# Altium PCB foxbms2-master.PcbDoc (part 5 of 11)
Units mm, origin at the board's own origin, x right, y up, seen from the top; angles counter-clockwise.
Board outline 200.02 x 144.34 mm, 8 copper layers (Top, Int1 (Sig), Int2 (Gnd), Int3 (Sig), Int4 (Sig), Int5 (Pwr), Int6 (Sig), Bottom), stack 1.636 mm thick; 806 components, 624 nets, 2842 pads, 2610 vias.
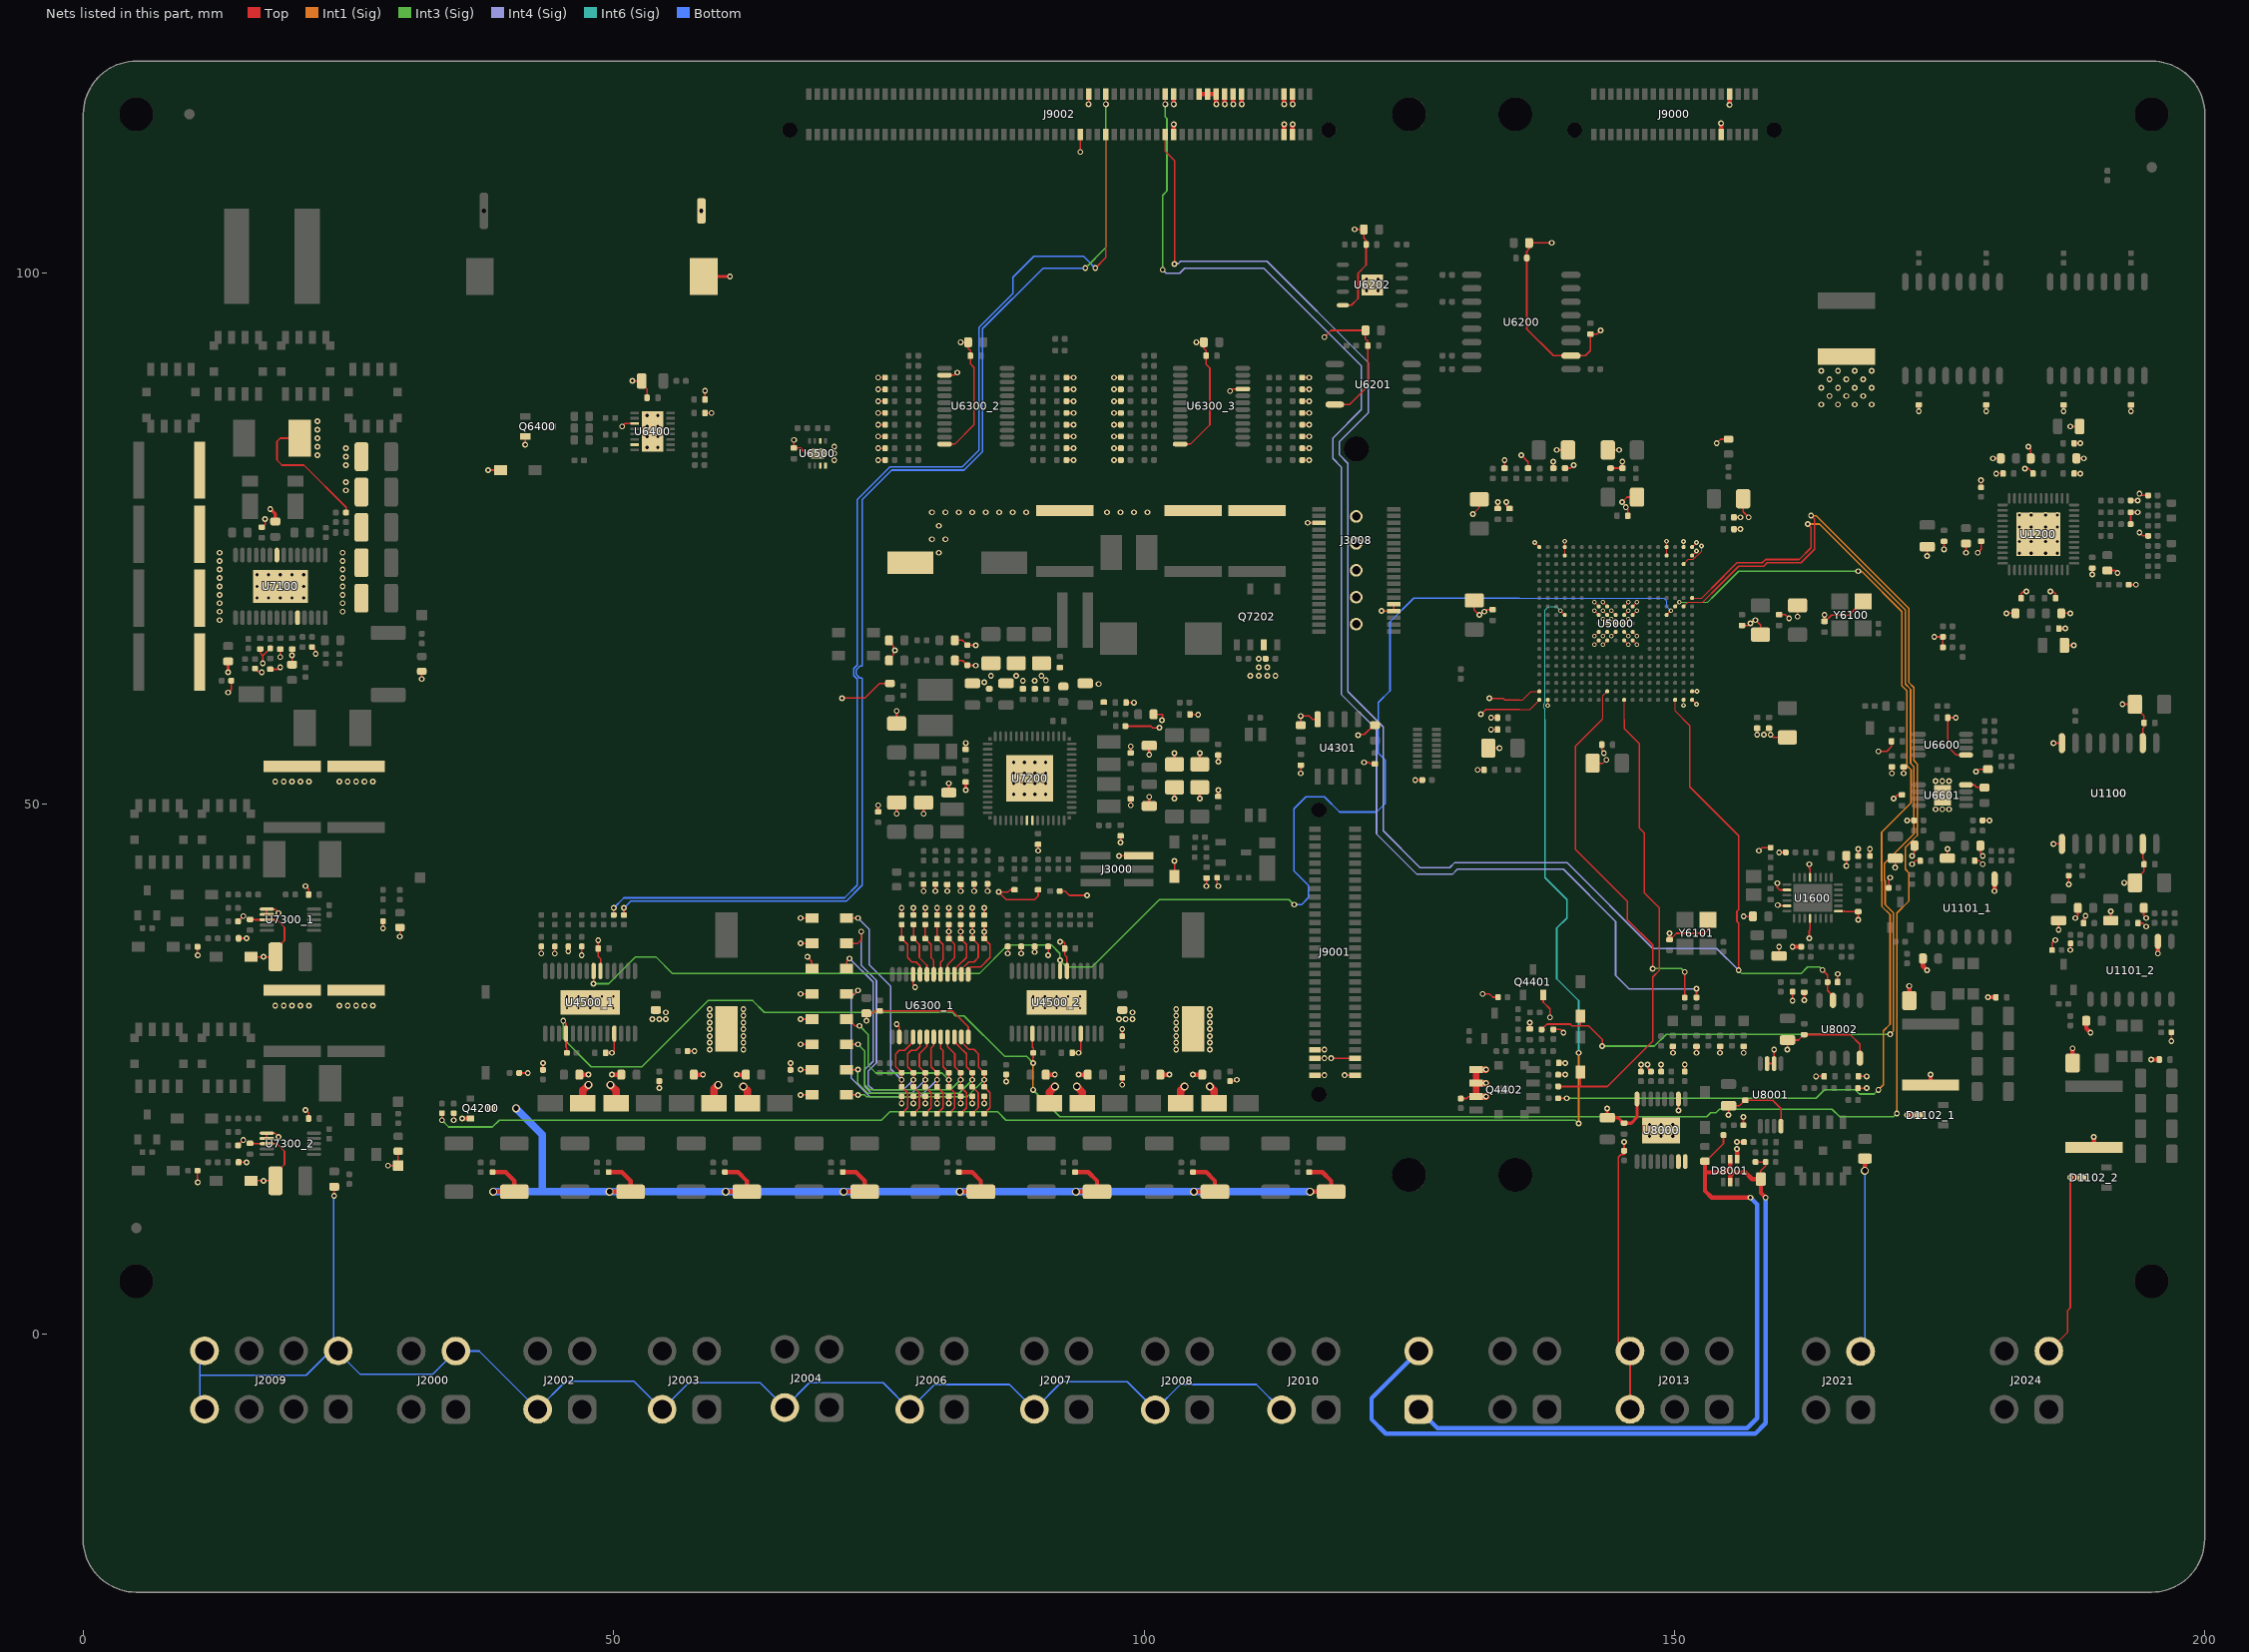
[diagram p11: the nets of this part, all layers, seen from the top]

## Via types
v1: diameter 0.55, hole 0.3, Top to Bottom, 1560 vias
v2: diameter 0.55, hole 0.3, Top to Bottom, tented both sides, 810 vias
v3: diameter 0.45, hole 0.2, Top to Bottom, tented both sides, 169 vias
v4: diameter 0.45, hole 0.2, Top to Bottom, 25 vias
v5: diameter 0.5, hole 0.2, Top to Bottom, 20 vias
v6: diameter 0.75, hole 0.5, Top to Bottom, tented both sides, 17 vias
v7: diameter 0.75, hole 0.5, Top to Bottom, 9 vias

## Nets (pads, with @x,y where several pads share a name; then routed paths per layer and width w, separated by ;. In a path a pad name is that pad's centre, name@x,y a point inside that pad or via, vN(x,y) a via of type N, cw(c..) or ccw(c..) an arc to the next point about the centre after c; other vN are vias at no path point) (continued)
GND: BT6400.- BT6401.- C1100.1 C1102.1 C1103_1.1 C1104_1.1 C1105_1.1 C1106_1.1 C1107_1.1 C1108_1.1 C1109_1.1 C1110_1.1 C1111_1.1 C1112_1.1 C1200.1 C1201.1 C1202.1 C1203.1 C1204.1 C1205.1 C1206.1 C1207.1 C1208.1 C1209.1 C1210.1 C1211.1 C1212.1 C1213.1 C1214.1 C1215.1 C1216.1 C1217.1 C1218.1 C1219.1 C1220.1 C1221.1 C1222.1 C1223.1 C1224.1 C1600.2 C1601.2 C1602.1 C1603.1 C3000.1 C4344.1 C4345.1 C4346.1 C4347.1 C4400.1 C4401.1 C4500_1.2 C4500_2.2 C4501_1.1 C4501_2.1 C4502_1.1 C4502_2.1 C4503_1.1 C4503_2.1 C4504_1.1 C4504_2.1 C4505_1.1 C4505_2.1 C4506_1.1 C4506_2.1 C4507_1.1 C4507_2.1 C5000.1 C5001.1 C5002.1 C5003.1 C5004.1 C5005.1 C5006.1 C5007.1 C5008.1 C5009.1 C5010.1 C5011.1 C5012.1 C5013.1 C5014.1 C5015.1 C5016.1 C5017.1 C5018.1 C5019.1 C5020.1 C5021.1 C5022.1 C5023.1 C5024.1 C5025.1 C5026.1 C5027.1 C5028.1 C6100.1 C6101.1 C6200.1 C6201.1 C6202.1 C6203.1 C6204.1 C6205.1 C6206.1 C6300_1.1 C6300_2.1 C6300_3.1 C6301_1.1 C6301_2.1 C6301_3.1 C6400.1 C6401.1 C6402.1 C6403.1 C6500.1 C6600.1 C6601.1 C6602.1 C6603.1 C6604.1 C6605.1 C6606.1 C7000.1 C7001.1 C7100.1 C7101.1 C7102.1 C7103.1 C7104.1 C7105.1 C7106.1 C7107.1 C7108.1 C7109.1 C7113.2 C7114.2 C7116.2 C7117.1 C7118.1 C7119.1 C7120.1 C7200.2 C7201.2 C7205.2 C7206.1 C7207.1 C7208.1 C7209.1 C7210.1 C7211.1 C7212.1 C7213.1 C7215.1 C7216.1 C7217.1 C7218.1 C7219.1 C7220.1 C7221.1 C7222.1 C7223.1 C7224.1 C7225.1 C7226.1 C7227.1 C7228.1 C7229.1 C7230.1 C7231.1 C7232.1 C7233.1 C7234.1 C7235.1 C7236.1 C7237.1 C7238.1 C7239.1 C7240.1 C7241.1 C7242.1 C7243.1 C7244.1 C7245.1 C7246.1 C7247.1 C7248.1 C7249.1 C7250.1 C7251.1 C7300_1.2 C7300_2.2 C7301_1.1 C7301_2.1 C7302_1.1 C7302_2.1 C7303_1.1 C7303_2.1 C7304_1.1 C7304_2.1 C7305_1.1 C7305_2.1 C8000.1 C8001.1 C8002.1 C8003.1 C8005.1 C8006.1 C8007.1 C8008.1 C8009.1 C8010.1 C8011.2 C8012.1 C8013.2 C8014.1 D1102_1.3 D4200_1.2 D4200_2.2 D4200_3.2 D4200_4.2 D4200_5.2 D4200_6.2 D4200_7.2 D4200_8.2 D4500_1.2 D4500_2.2 D4501_1.2 D4501_2.2 D4502_1.2 D4502_2.2 D4503_1.2 D4503_2.2 D5000.1 D6401.2 D7000.1 D7001.1 D7002.1 D7005.1 D7202.2 D7307_1.2 D7307_2.2 D8001.1 J2000.3 J2002.2 J2003.2 J2004.2 J2006.2 J2007.2 J2008.2 J2009.4 J2009.5 J2009.8 J2010.2 J2013.3 J2013.6 J2021.3 J3000.2 J3008.5 J3008.30 J3008.32 J3008.G J9000.32 J9000.33 J9001.54 J9001.55 J9001.56 J9001.59 J9001.60 J9002.66 J9002.67 J9002.87 J9002.88 J9002.93 J9002.95 J9002.97 J9002.99 J9002.101 J9002.103 J9002.113 J9002.114 J9002.115 J9002.116 Q4200.S Q4401.S Q4402.S Q6400.S Q7202.3 R1109_1.1 R1114_1.1 R1117_1.1 R1209.1 R1211.1 R1212.1 R1213.1 R1214.1 R1215.1 R1221.1 R1225.1 R1226.1 R1605.1 R1606.1 R1607.1 R1608.1 R1612.1 R3000.1 R4201.1 R4405.1 R4408.1 R4412.1 R4413.1 R4500.1 R4501_1.1 R4501_2.1 R4502_1.1 R4502_2.1 R4503_1.1 R4503_2.1 R4508_1.1 R4508_2.1 R4509_1.1 R4509_2.1 R4510_1.1 R4510_2.1 R4511_1.1 R4511_2.1 R4512_1.1 R4512_2.1 R6320_1.1 R6320_2.1 R6320_3.1 R6321_1.1 R6321_2.1 R6321_3.1 R6322_1.1 R6322_2.1 R6322_3.1 R6323_1.1 R6323_2.1 R6323_3.1 R6324_1.1 R6324_2.1 R6324_3.1 R6325_1.1 R6325_2.1 R6325_3.1 R6326_1.1 R6326_2.1 R6326_3.1 R6327_1.1 R6327_2.1 R6327_3.1 R6328_1.1 R6328_2.1 R6328_3.1 R6329_1.1 R6329_2.1 R6329_3.1 R6330_1.1 R6330_2.1 R6330_3.1 R6331_1.1 R6331_2.1 R6331_3.1 R6332_1.1 R6332_2.1 R6332_3.1 R6333_1.1 R6333_2.1 R6333_3.1 R6334_1.1 R6334_2.1 R6334_3.1 R6335_1.1 R6335_2.1 R6335_3.1 R7008.1 R7105.2 R7108.1 R7109.1 R7110.1 R7111.1 R7113.1 R7205.1 R7206.1 R7208.1 R7209.1 R7228.1 R7238.1 R7239.1 R7245.2 R7246.2 R7251.2 R7308_1.1 R7308_2.1 R7311_1.1 R7311_2.1 R8003.2 R8004.1 R8007.2 R8008.2 R8011.2 R8012.2 R8013.1 R8022.1 R8023.2 R8025.1 TP_GND.1 U1100.2 U1100.8 U1101_1.2 U1200.49 U1600.5 U1600.10 U1600.13 U1600.18 U1600.23 U4301.4 U4500_1.11 U4500_1.20 U4500_1.29 U4500_2.11 U4500_2.20 U4500_2.29 U5000.A1 U5000.A2 U5000.A18 U5000.A19 U5000.B1 U5000.B19 U5000.H8 U5000.H9 U5000.H11 U5000.H12 U5000.J8 U5000.J9 U5000.J10 U5000.J11 U5000.J12 U5000.K9 U5000.K10 U5000.K11 U5000.L8 U5000.L9 U5000.L10 U5000.L11 U5000.L12 U5000.M8 U5000.M9 U5000.M11 U5000.M12 U5000.U2 U5000.V1 U5000.V4 U5000.V16 U5000.W1 U5000.W2 U5000.W4 U5000.W16 U5000.W19 U6200.10 U6201.4 U6202.4 U6202.9 U6300_1.2 U6300_1.12 U6300_1.21 U6300_2.2 U6300_2.12 U6300_3.12 U6300_3.21 U6400.3 U6400.7 U6400.17 U6500.2 U6500.7 U6500.8 U6500.9 U6600.5 U6601.4 U6601.9 U7100.10 U7100.22 U7100.29 U7200.21 U7200.22 U7200.57 U7300_1.6 U7300_1.7 U7300_1.8 U7300_2.6 U7300_2.7 U7300_2.8 U8000.2 U8000.8 U8000.17 U8001.4 U8001.6 U8001.7 U8002.4 Y6100.2 Y6101.2 | length 713.7
  Top w0.102: 135.414,58.896 136.366,58.896 U5000.A19@137.263,59.792 ; 135.414,59.792 135.675,59.792 136.475,60.593 U5000.B19@137.263,60.593 ; v3(136.843,74.612) U5000.W19@137.263,74.192 ; v3(138.063,59.252) U5000.A18@138.063,59.792 ; U5000.V16@139.663,73.392 U5000.W16@139.663,74.192 v3(139.663,74.734) ; v3(142.463,64.992) U5000.H12@142.863,65.392 ; v3(142.463,65.792) U5000.J12@142.863,66.192 ; v3(142.463,68.192) U5000.L12@142.863,67.792 ; v3(142.463,68.992) U5000.M12@142.863,68.592 ; v3(143.263,64.992) U5000.H11@143.663,65.392 ; v3(143.263,65.792) U5000.J11@143.663,66.192 ; v3(143.263,67.392) U5000.K11@143.663,66.992 ; v3(143.263,68.192) U5000.L11@143.663,67.792 ; v3(143.263,68.992) U5000.M11@143.663,68.592 ; v3(144.063,65.792) U5000.J10@144.463,66.192 ; v3(144.063,67.392) U5000.K10@144.463,66.992 ; v3(144.063,68.192) U5000.L10@144.463,67.792 ; U5000.H9@145.263,65.392 v3(145.663,64.992) ; U5000.J9@145.263,66.192 v3(145.663,65.792) ; U5000.K9@145.263,66.992 v3(145.663,67.392) ; U5000.L9@145.263,67.792 v3(145.663,68.192) ; U5000.M9@145.263,68.592 v3(145.663,68.992) ; U5000.H8@146.063,65.392 v3(146.463,64.992) ; U5000.J8@146.063,66.192 v3(146.463,65.792) ; U5000.L8@146.063,67.792 v3(146.463,68.192) ; U5000.M8@146.063,68.592 v3(146.463,68.992) ; U5000.V4@149.263,73.392 U5000.W4@149.263,74.192 v3(149.263,74.734) ; v3(150.862,59.264) U5000.A2@150.862,59.792 ; U5000.U2@150.862,72.592 151.295,73.025 151.765,73.025 152.559,73.819 v3(152.559,74.295) v3@152.718,74.295 ; U5000.W2@150.862,74.192 v3(150.862,74.721) ; U5000.A1@151.663,59.792 v3(152.082,59.372) ; U5000.B1@151.663,60.593 v3(152.132,60.593) ; U5000.V1@151.663,73.392 v3@152.082,73.812 ; U5000.W1@151.663,74.192 v3(152.083,74.612)
  Top w0.152: R7308_2.1@10.769,15.399 10.769,14.314 v2(10.795,14.287) v2@10.782,14.301 ; R7308_1.1@10.769,36.512 10.769,35.745 v2(10.795,35.719) ; v2(13.652,60.484) 13.944,60.775 R7105.2@13.944,61.595 ; R7311_2.1@14.579,17.78 v2(15.081,18.283) ; R7311_1.1@14.579,38.894 v2(15.081,39.396) ; C7300_2.2@14.639,16.192 v1(15.399,16.192) ; C7300_1.2@14.639,37.306 v1(15.399,37.306) ; C7305_2.1@15.716,17.972 16.128,17.972 16.162,17.939 U7300_2.8@17.301,17.939 18.256,17.939 18.972,17.223 18.972,15.992 18.126,15.146 C7304_2.1@18.126,14.446 v2(16.986,14.446) D7307_2.2@15.811,14.446 ; C7305_1.1@15.716,39.086 16.128,39.086 16.162,39.052 U7300_1.8@17.301,39.052 18.256,39.052 18.972,38.337 18.972,37.106 18.126,36.26 C7304_1.1@18.126,35.56 v2(16.986,35.56) D7307_1.2@15.811,35.56 ; R7110.1@16.192,62.733 16.514,62.411 16.805,62.411 v2(16.828,62.389) ; C7117.1@16.669,64.578 16.669,64.216 16.925,63.96 16.925,63.941 ; C7114.2@16.828,76.075 16.877,76.075 17.171,76.369 17.171,76.809 v2(17.145,76.835) ; v2(16.925,63.219) 16.925,63.941 ; U7300_2.7@17.301,18.439 U7300_2.6@17.301,18.939 18.078,18.939 18.415,18.602 v2(18.415,18.574) ; U7300_1.7@17.301,39.552 U7300_1.6@17.301,40.053 18.078,40.053 18.415,39.715 v2(18.415,39.688) ; C7118.1@17.621,62.673 18.336,62.673 18.528,62.865 v2(18.574,62.865) ; R7111.1@17.621,64.638 16.925,63.941 ; v2(18.574,63.817) C7113.2@18.574,64.577 ; C7120.1@19.685,63.114 v2(19.685,63.976) C7119.1@19.685,64.578 ; R7108.1@20.405,84.455 18.574,84.455 18.256,84.138 18.256,82.391 18.732,81.915 20.796,81.915 24.765,77.946 R7109.1@24.765,77.444 ; v2(20.955,21.114) 21.239,20.83 C7303_2.1@21.239,20.32 ; v2(20.955,42.227) 21.239,41.944 C7303_1.1@21.239,41.434 ; R7113.1@21.564,64.77 21.885,64.449 21.885,64.158 v2(21.907,64.135) ; v1(23.654,13.018) C7000.1@23.654,13.88 ; v1(28.258,38.259) R7008.1@28.258,38.92 ; v1(28.734,15.875) TP_GND.1@29.686,15.875 D7005.1@29.686,17.239 ; v1(29.845,37.465) D7000.1@29.845,38.326 ; v1(31.909,61.754) D7001.1@31.909,62.482 ; v2(34.925,20.161) R4201.1@34.925,20.823 ; v2(38.155,81.443) 38.16,81.439 D6401.2@39.322,81.439 ; R4500.1@41.09,24.606 v2(41.91,24.606) ; v2(41.662,83.839) Q6400.S@41.662,84.616 ; v2(43.18,35.877) R4512_1.1@43.18,36.539 ; R4501_1.1@43.339,24.897 v1(43.339,25.559) ; v2(44.45,35.877) R4511_1.1@44.45,36.539 ; v2(45.72,36.096) R4510_1.1@45.72,36.539 ; v2(46.99,35.719) R4509_1.1@46.99,36.38 ; v2(48.544,37.114) C4505_1.1@48.544,36.354 48.544,35.594 48.759,35.379 U4500_1.20@48.759,34.224 ; C4503_1.1@49.246,26.511 v2(49.847,26.511) 50.059,26.722 U4500_1.11@50.059,28.324 ; v2(50.8,85.566) 51.074,85.84 U6400.3@51.968,85.84 ; v2(51.752,89.852) C6402.1@52.633,89.852 52.633,89.577 53.148,89.062 C6400.1@53.148,88.265 ; v1(54.292,23.177) R4502_1.1@54.292,23.839 ; R4503_1.1@56.965,26.67 v1(57.626,26.67) ; v2(58.612,88.937) 58.612,88.936 C6401.1@58.612,88.106 ; C6403.1@58.612,86.836 v2(59.214,86.836) ; R4508_1.1@66.675,24.897 v1(66.675,25.559) ; v2(66.992,84.296) C6500.1@66.992,83.536 67.594,83.536 68.104,83.026 U6500.9@69.215,83.026 U6500.9@69.253,83.064 ; v1(67.627,22.543) D4200_8.2@68.691,22.543 ; v1(67.627,24.924) D4200_7.2@68.691,24.924 ; v1(67.627,27.305) D4200_6.2@68.691,27.305 ; v1(67.627,29.686) D4200_5.2@68.691,29.686 ; v1(67.627,32.067) D4200_4.2@68.691,32.067 ; v1(67.627,36.83) D4200_2.2@68.691,36.83 ; v1(67.627,39.211) D4200_1.2@68.691,39.211 ; v1(68.263,35.56) 68.691,35.131 D4200_3.2@68.691,34.449 ; v1(71.518,59.943) 71.533,59.958 73.682,59.958 75.066,61.343 D7002.1@76.041,61.343 ; v2(73.819,29.527) C6300_1.1@73.819,30.231 74.395,30.231 74.61,30.446 C6301_1.1@75.089,30.446 81.949,30.446 83.426,28.969 U6300_1.12@83.426,28.006 ; v2(74.93,82.391) R6327_2.1@75.591,82.391 ; v2(74.93,83.502) R6326_2.1@75.591,83.502 ; v2(74.93,84.614) R6325_2.1@75.591,84.614 ; v2(74.93,85.725) R6324_2.1@75.591,85.725 ; v2(74.93,86.836) R6323_2.1@75.591,86.836 ; v2(74.93,87.947) R6322_2.1@75.591,87.947 ; v2(74.93,89.059) R6321_2.1@75.591,89.059 ; v2(74.93,90.17) R6320_2.1@75.591,90.17 ; C7225.1@75.951,63.5 75.951,63.6 76.343,63.992 76.343,64.171 76.517,64.345 v2(76.517,64.453) 76.517,64.56 76.343,64.734 76.343,64.913 75.951,65.305 C7217.1@75.951,65.405 ; v2(76.676,29.21) 76.926,28.96 U6300_1.2@76.926,28.006 ; v2(77.153,21.749) R6320_1.1@77.153,22.41 ; R6335_1.1@77.153,39.502 v2(77.153,40.164) ; U6300_1.21@78.226,33.906 78.226,32.941 78.422,32.744 v2(78.422,32.703) ; v2(78.264,21.749) R6321_1.1@78.264,22.41 ; R6334_1.1@78.264,39.502 v2(78.264,40.164) ; v2(79.216,41.751) R7206.1@79.216,42.413 ; v2(79.375,21.749) R6322_1.1@79.375,22.41 ; R6333_1.1@79.375,39.502 v2(79.375,40.164) ; v2(80.328,41.751) R7205.1@80.328,42.413 ; v2(80.486,21.749) R6323_1.1@80.486,22.41 ; R6332_1.1@80.486,39.502 v2(80.486,40.164) ; U6300_2.12@81.188,83.896 82.15,83.896 83.979,85.725 83.979,91.123 83.628,91.474 C6301_2.1@83.628,92.234 83.628,92.712 83.413,92.927 C6300_2.1@83.413,93.504 v2(82.709,93.504) ; U6300_2.2@81.188,90.396 82.141,90.396 v2(82.391,90.646) ; v2(81.439,41.751) C7243.1@81.439,42.379 ; v2(81.597,21.749) R6324_1.1@81.597,22.41 ; R6331_1.1@81.597,39.502 v2(81.597,40.164) ; C7226.1@82.164,63.5 82.894,63.5 R7246.2@83.344,63.05 83.72,63.05 83.747,63.024 v2(84.138,63.024) ; C7218.1@82.164,65.405 82.894,65.405 R7245.2@83.344,64.955 83.72,64.955 83.747,64.929 v2(84.138,64.929) ; v2(82.709,21.749) R6325_1.1@82.709,22.41 ; R6330_1.1@82.709,39.502 v2(82.709,40.164) ; v2(82.709,41.751) C7244.1@82.709,42.379 ; C7230.1@83.185,55.12 v2(83.185,55.721) ; v2(83.82,21.749) R6326_1.1@83.82,22.41 ; R6329_1.1@83.82,39.502 v2(83.82,40.164) ; v2(83.979,41.751) R7209.1@83.979,42.439 ; v2(84.931,21.749) R6327_1.1@84.931,22.41 ; R6328_1.1@84.931,39.502 v2(84.931,40.164) ; v2(85.249,41.751) R7208.1@85.249,42.439 ; v1(86.995,23.812) R4501_2.1@86.995,24.474 ; v2(87.154,35.877) R4512_2.1@87.154,36.539 ; C7237.1@87.839,41.876 C7237.1@87.789,41.876 87.377,41.876 87.178,41.677 v2(86.285,41.677) 87.005,40.957 89.694,40.957 90.011,41.275 C7236.1@90.011,41.876 ; v2(88.424,35.877) R4511_2.1@88.424,36.539 ; v2(89.694,36.007) R4510_2.1@89.694,36.539 ; v2(90.011,45.561) C7222.1@90.011,46.163 ; v2(90.964,35.719) R4509_2.1@90.964,36.38 ; R7251.2@92.049,41.751 92.551,41.751 92.949,41.353 v1(94.615,41.353) ; v1(92.075,36.989) 92.392,36.989 92.518,36.864 C4505_2.1@92.518,36.354 92.518,35.752 92.732,35.538 U4500_2.20@92.732,34.224 ; R6328_2.1@92.684,82.391 v2(93.345,82.391) ; R6329_2.1@92.684,83.502 v2(93.345,83.502) ; R6330_2.1@92.684,84.614 v2(93.345,84.614) ; R6331_2.1@92.684,85.725 v2(93.345,85.725) ; R6332_2.1@92.684,86.836 v2(93.345,86.836) ; R6333_2.1@92.684,87.947 v2(93.345,87.947) ; R6334_2.1@92.684,89.059 v2(93.345,89.059) ; R6335_2.1@92.684,90.17 v2(93.345,90.17) ; C4503_2.1@93.22,26.511 v2(93.821,26.511) 94.032,26.722 U4500_2.11@94.032,28.324 ; v1(94,111.442) J9002.66@94,113.1 ; v1(94.781,115.947) 94.8,115.966 J9002.67@94.8,116.9 ; v2(97.155,82.391) R6327_3.1@97.816,82.391 ; v2(97.155,83.502) R6326_3.1@97.816,83.502 ; v2(97.155,84.614) R6325_3.1@97.816,84.614 ; v2(97.155,85.725) R6324_3.1@97.816,85.725 ; v2(97.155,86.836) R6323_3.1@97.816,86.836 ; v2(97.155,87.947) R6322_3.1@97.816,87.947 ; v2(97.155,89.059) R6321_3.1@97.816,89.059 ; v2(97.155,90.17) R6320_3.1@97.816,90.17 ; v2(97.631,45.085) J3000.2@99.507,45.085 ; v2(97.79,46.355) C7245.1@97.79,46.956 ; v1(97.949,23.495) R4502_2.1@97.949,24.156 ; R4503_2.1@97.949,28.072 v1(97.949,28.734) ; R7239.1@98.24,57.309 100.647,57.309 100.806,57.15 v2(101.441,57.15) ; C7201.2@98.3,59.531 v2(99.06,59.531) ; C7200.2@100.896,58.42 101.759,58.42 101.759,57.9 101.707,57.9 101.707,57.897 v2(101.681,57.872) ; D7202.2@102.87,43.132 v2(102.87,44.609) ; U6300_3.12@103.413,83.896 104.375,83.896 106.204,85.725 106.204,91.063 105.853,91.414 C6301_3.1@105.853,92.234 105.853,92.712 105.638,92.927 C6300_3.1@105.638,93.504 v2(104.934,93.504) ; C7227.1@104.332,58.42 105.093,58.42 v2(105.093,58.382) ; v2(105.886,42.227) C7231.1@105.886,42.988 ; R7238.1@106.891,43.021 106.891,42.334 v2(106.998,42.227) ; R4508_2.1@108.109,23.839 108.504,23.839 108.636,23.971 v1(108.744,23.971) ; v2(108.109,88.9) 108.151,88.9 108.347,89.096 U6300_3.21@109.313,89.096 ; v1(114.776,52.864) C4345.1@114.776,53.624 ; C4344.1@114.776,57.399 v1(114.776,58.261) 115.57,58.261 115.886,57.945 U4301.4@116.364,57.945 ; R6328_3.1@114.909,82.391 v2(115.57,82.391) ; R6329_3.1@114.909,83.502 v2(115.57,83.502) ; R6330_3.1@114.909,84.614 v2(115.57,84.614) ; R6331_3.1@114.909,85.725 v2(115.57,85.725) ; R6332_3.1@114.909,86.836 v2(115.57,86.836) ; R6333_3.1@114.909,87.947 v2(115.57,87.947) ; R6334_3.1@114.909,89.059 v2(115.57,89.059) ; R6335_3.1@114.909,90.17 v2(115.57,90.17) ; v1(115.411,76.48) J3008.5@116.47,76.48 ; J9001.60@116.1,24.4 v1(116.999,24.4) ; J9001.56@116.1,26 v1(116.999,26) ; J9001.54@116.1,26.8 v1(116.999,26.8) ; v1(116.999,93.98) 117.634,94.615 C6203.1@120.878,94.615 120.878,93.813 121.093,93.598 C6204.1@121.093,93.186 121.093,89.343 119.38,87.63 U6201.4@117.978,87.63 ; v1(117.634,26) J9001.55@119.9,26 J9001.55@119.865,26.035 ; U6202.4@118.745,96.996 119.539,96.996 120.174,97.631 120.174,100.013 120.934,100.773 C6206.1@120.934,102.711 120.934,103.123 120.719,103.338 C6205.1@120.719,104.14 v2(119.856,104.14) ; v1(118.904,24.4) J9001.59@119.9,24.4 ; v1(120.174,56.469) 120.174,56.515 120.778,56.515 121.661,57.399 C4347.1@121.761,57.399 ; v1(120.744,53.891) 121.208,53.891 121.35,53.749 C4346.1@121.761,53.749 ; v1(122.396,68.16) J3008.32@123.53,68.16 J3008.30@123.53,68.8 ; v1(125.571,52.229) R3000.1@126.233,52.229 ; R4413.1@129.857,22.199 130.398,22.199 130.583,22.384 Q4402.S@131.31,22.384 ; v2(131.005,77.311) 131.604,77.91 C5020.1@131.604,78.686 ; C5002.1@131.127,69.161 131.127,68.263 v1(131.604,67.786) ; v2(131.445,53.181) C3000.1@132.046,53.181 ; v1(131.762,58.42) 132.239,58.896 135.414,58.896 ; v1(131.921,32.067) 132.556,32.067 132.874,31.75 R4412.1@133.376,31.75 ; v2(132.08,68.104) 132.272,68.296 C5006.1@132.874,68.296 ; C5016.1@132.451,55.245 v2(133.509,55.245) ; v1(132.556,59.929) 133.848,59.929 133.985,59.792 135.414,59.792 ; v2(132.715,56.991) C5024.1@133.316,56.991 ; v2(132.715,58.102) C5025.1@133.316,58.102 ; C5021.1@133.35,77.821 v2(133.35,78.422) ; C7001.1@133.985,81.631 v1(133.985,82.391) ; v2(134.144,78.422) 134.117,78.396 134.117,78.115 134.411,77.821 C5022.1@134.461,77.821 ; v2(135.572,82.867) 136.207,82.233 C5015.1@136.207,81.631 ; C4401.1@136.366,28.767 v1(136.366,29.369) ; Q4401.S@137.634,31.979 137.634,31.276 138.271,30.639 v1(138.271,29.845) ; v1(138.43,102.87) C6200.1@136.297,102.87 136.297,102.293 136.082,102.078 C6201.1@136.082,101.441 136.082,94.74 138.589,92.234 U6200.10@140.247,92.234 141.605,92.234 142.081,92.71 C6202.1@142.081,94.264 142.683,94.264 v2(143.034,94.615) ; R4408.1@138.589,28.707 139.25,28.707 v1(139.541,28.416) ; C5011.1@138.589,81.631 v2(138.589,82.233) ; v2(138.906,83.344) C5010.1@139.964,83.344 ; R4405.1@139.039,24.447 v1(139.7,24.447) ; C4400.1@139.099,25.559 v1(139.7,25.559) ; C5012.1@139.7,81.631 140.21,81.631 v2(140.494,81.915) ; C5001.1@142.288,53.816 143.273,53.816 v1(143.591,54.134) ; C5004.1@143.153,55.562 143.153,54.961 v2(143.345,54.769) ; C5007.1@143.722,83.344 v2(144.78,83.344) ; C5009.1@143.986,81.631 C5008.1@145.097,81.631 v2(145.097,82.233) ; v1(145.063,78.422) 145.539,78.899 C5000.1@146.473,78.899 ; v2(145.256,18.098) R8008.2@145.256,17.278 145.256,16.907 144.957,16.907 144.727,16.677 144.727,-1.042 145.256,-1.042 J2013.6@145.819,-1.605 J2013.3@145.819,-7.105 ; v2(145.415,77.946) 145.607,77.754 C5005.1@145.607,77.153 ; R8011.2@146.844,24.739 v2(146.844,25.4) ; v2(147.479,25.4) 147.479,25.056 R8012.2@147.796,24.739 ; R8007.2@148.749,24.739 v2(148.749,25.4) ; v2(149.542,37.782) C6101.1@149.542,37.181 149.592,37.181 150.194,37.782 152.876,37.782 153.183,38.089 Y6101.2@153.183,39.052 ; v2(149.86,26.511) C8001.1@149.86,27.113 ; v2(150.374,21.076) U8000.2@150.374,22.159 ; R8003.2@150.971,24.739 v2(150.971,25.4) ; v2(152.082,26.511) C8000.1@152.082,27.113 ; v2(153.987,83.979) 154.37,84.361 D5000.1@155.099,84.361 ; v2(154.305,26.511) C8002.1@154.305,27.113 ; v2(155.099,20.637) C8006.1@155.099,21.518 156.121,21.518 156.636,22.033 C8007.1@156.686,22.033 159.26,22.033 160.043,21.25 U8001.4@160.043,19.593 ; C5027.1@155.609,75.882 v2(156.21,75.882) ; C5026.1@155.609,76.994 v2(156.21,76.994) ; v2(155.892,18.098) R8013.1@156.554,18.098 ; C5003.1@156.369,66.8 156.97,66.8 v2(157.162,66.992) ; C5018.1@156.474,78.74 156.474,77.524 v2(157.004,76.994) ; R8004.1@156.501,19.685 v2(156.501,20.452) ; v2(156.528,26.511) C8005.1@156.528,27.113 ; v2(156.528,39.37) C1600.2@157.39,39.37 ; v1(157.639,67.31) 158.115,66.834 C5017.1@158.115,65.935 ; v2(157.797,56.515) C5023.1@157.797,57.116 ; v2(157.956,45.561) 158.247,45.852 R1607.1@159.067,45.852 ; v2(158.433,56.498) 158.433,56.69 158.859,57.116 C5028.1@158.909,57.116 ; U8001.7@158.743,25.493 U8001.6@159.393,25.493 v2(159.393,26.821) ; v2(159.067,56.515) 159.331,56.251 C5019.1@160.655,56.251 ; v2@159.708,42.539 v2(159.708,42.507) 159.702,42.502 159.702,42.069 159.905,41.866 U1600.10@160.611,41.866 ; v2(159.733,40.441) 160.01,40.441 160.085,40.366 U1600.13@160.611,40.366 ; C1603.1@159.861,35.646 v2(159.861,36.512) ; v2(159.861,45.402) R1608.1@160.496,45.402 ; C5014.1@159.861,67.82 160.463,67.82 v2(160.814,67.469) ; v2(160.655,26.829) C8008.1@160.655,27.709 161.677,27.709 162.193,28.224 C8009.1@162.243,28.224 166.562,28.224 167.481,27.305 U8002.4@167.481,26.009 ; v2(161.131,31.432) R8025.1@161.131,32.279 ; v2(161.607,67.627) C5013.1@161.607,68.685 ; v2(162.243,31.459) C8014.1@162.243,32.219 ; v2(162.719,37.306) 162.719,38.033 162.786,38.1 U1600.18@162.786,39.191 ; v2(162.719,44.291) 162.719,43.924 162.786,43.857 U1600.5@162.786,43.041 ; v2(163.354,24.289) C8011.2@164.114,24.289 ; v1(164.147,67.786) C6100.1@164.147,67.185 164.197,67.185 164.799,67.786 166.468,67.786 167.738,69.056 Y6100.2@167.788,69.056 ; C8013.2@165.384,33.179 v2(165.384,33.939) ; U1600.23@165.461,39.866 165.988,39.866 166.042,39.813 C1602.1@167.322,39.813 v2(167.322,39.052) ; v2(166.211,44.133) C1601.2@166.211,45.085 ; R8022.1@167.296,23.177 v2(168.116,23.177) ; R1606.1@167.322,45.059 v2(167.322,45.72) ; C8010.1@167.356,24.289 v2(168.116,24.289) ; R1605.1@168.434,45.059 v2(168.434,45.72) ; v2(169.227,54.927) 170.021,54.927 170.464,55.37 C6604.1@170.464,55.88 ; R1114_1.1@170.206,42.069 170.206,42.779 170.341,42.914 v1(170.341,43.021) ; v2(170.498,52.864) C6601.1@170.498,53.465 ; v2(170.656,50.482) 170.687,50.482 171.038,50.834 C6605.1@171.45,50.834 ; v1(170.815,43.974) C1107_1.1@170.815,44.854 ; v2(171.609,52.864) C6602.1@171.609,53.465 ; v1(171.926,48.419) R1109_1.1@172.588,48.419 ; v1(172.403,44.291) 172.72,44.609 C1109_1.1@173.163,44.609 ; v1(172.403,45.085) 172.63,45.313 C1108_1.1@172.63,46.038 ; v2(173.037,86.995) C1222.1@173.037,87.596 ; v2(173.831,73.343) C1214.1@173.831,74.223 ; v1(174.496,65.727) 174.5,65.722 R1225.1@175.312,65.722 175.312,65.115 R1226.1@175.312,64.738 ; v2(175.419,73.977) C1215.1@175.419,74.738 ; C1110_1.1@175.736,44.854 v1(175.736,45.72) ; v2(176.53,58.102) C6600.1@175.77,58.102 175.77,55.37 176.553,54.587 U6600.5@177.485,54.587 ; v2(177.482,73.66) C1216.1@177.482,74.523 ; U6601.4@177.485,51.775 178.262,51.775 178.512,51.525 C6606.1@179.229,51.525 ; C1112_1.1@178.31,44.609 178.752,44.609 v1(179.07,44.291) ; v2(178.434,53.023) 178.661,53.25 C6603.1@179.546,53.25 ; v2(178.594,73.66) 178.911,73.977 C1217.1@178.911,74.738 ; C1111_1.1@178.842,46.038 178.842,45.313 v1(179.07,45.085) ; R1221.1@178.911,79.825 v2(178.911,80.486) ; R1117_1.1@179.044,48.419 v1(179.705,48.419) ; v2(179.387,86.995) C1223.1@179.387,87.596 ; v2(180.022,82.55) C1210.1@180.76,82.55 ; v2(180.34,81.121) C1211.1@180.975,81.121 ; v2(181.292,67.945) C1218.1@182.155,67.945 ; C1219.1@182.688,69.374 182.688,69.785 182.88,69.978 183.167,69.978 183.197,70.009 v2(183.185,70.021) ; v2(183.039,81.597) 183.373,81.597 183.799,81.171 C1205.1@183.799,81.121 ; v2(183.356,83.661) 183.584,83.434 C1204.1@183.584,82.55 ; v2(185.433,70.021) 185.42,70.009 185.707,70.009 185.93,69.785 C1203.1@185.93,69.374 ; v1(185.737,55.709) U1100.8@186.531,55.709 ; C1201.1@186.247,66.466 C1201.1@186.247,66.516 v2(186.849,66.516) ; C1202.1@186.462,67.945 v2(187.325,67.945) ; C1220.1@186.656,87.596 186.69,87.562 v2(186.69,86.995) ; C1200.1@186.762,64.929 v2(187.642,64.929) ; v2(187.325,85.566) C1208.1@188.191,85.566 ; C1213.1@187.676,81.121 v2(188.278,81.121) ; C1209.1@187.676,83.979 v2(188.278,83.979) ; C1212.1@187.891,82.55 v2(188.595,82.55) ; v2(189.389,71.596) C1207.1@189.389,72.198 ; C1206.1@190.817,71.983 191.542,71.983 v2(191.77,71.755) ; v1(192.246,59.372) C1100.1@193.411,59.372 193.411,59.148 194.276,58.282 C1102.1@194.276,57.626 194.276,57.215 194.151,57.09 U1100.2@194.151,55.709 ; R1215.1@192.829,70.644 v2(193.516,70.644) ; R1214.1@193.014,76.359 R1213.1@193.014,77.47 v2(193.675,77.47) ; R1212.1@193.014,78.581 v2(193.675,78.581) ; v2(193.04,86.995) C1221.1@193.04,87.596 ; v2(193.834,75.565) 194.151,75.248 R1211.1@194.654,75.248 ; v2(193.834,79.216) 193.992,79.057 R1209.1@194.654,79.057